# Altium PCB braking_io.PcbDoc (part 2 of 4) (continued)
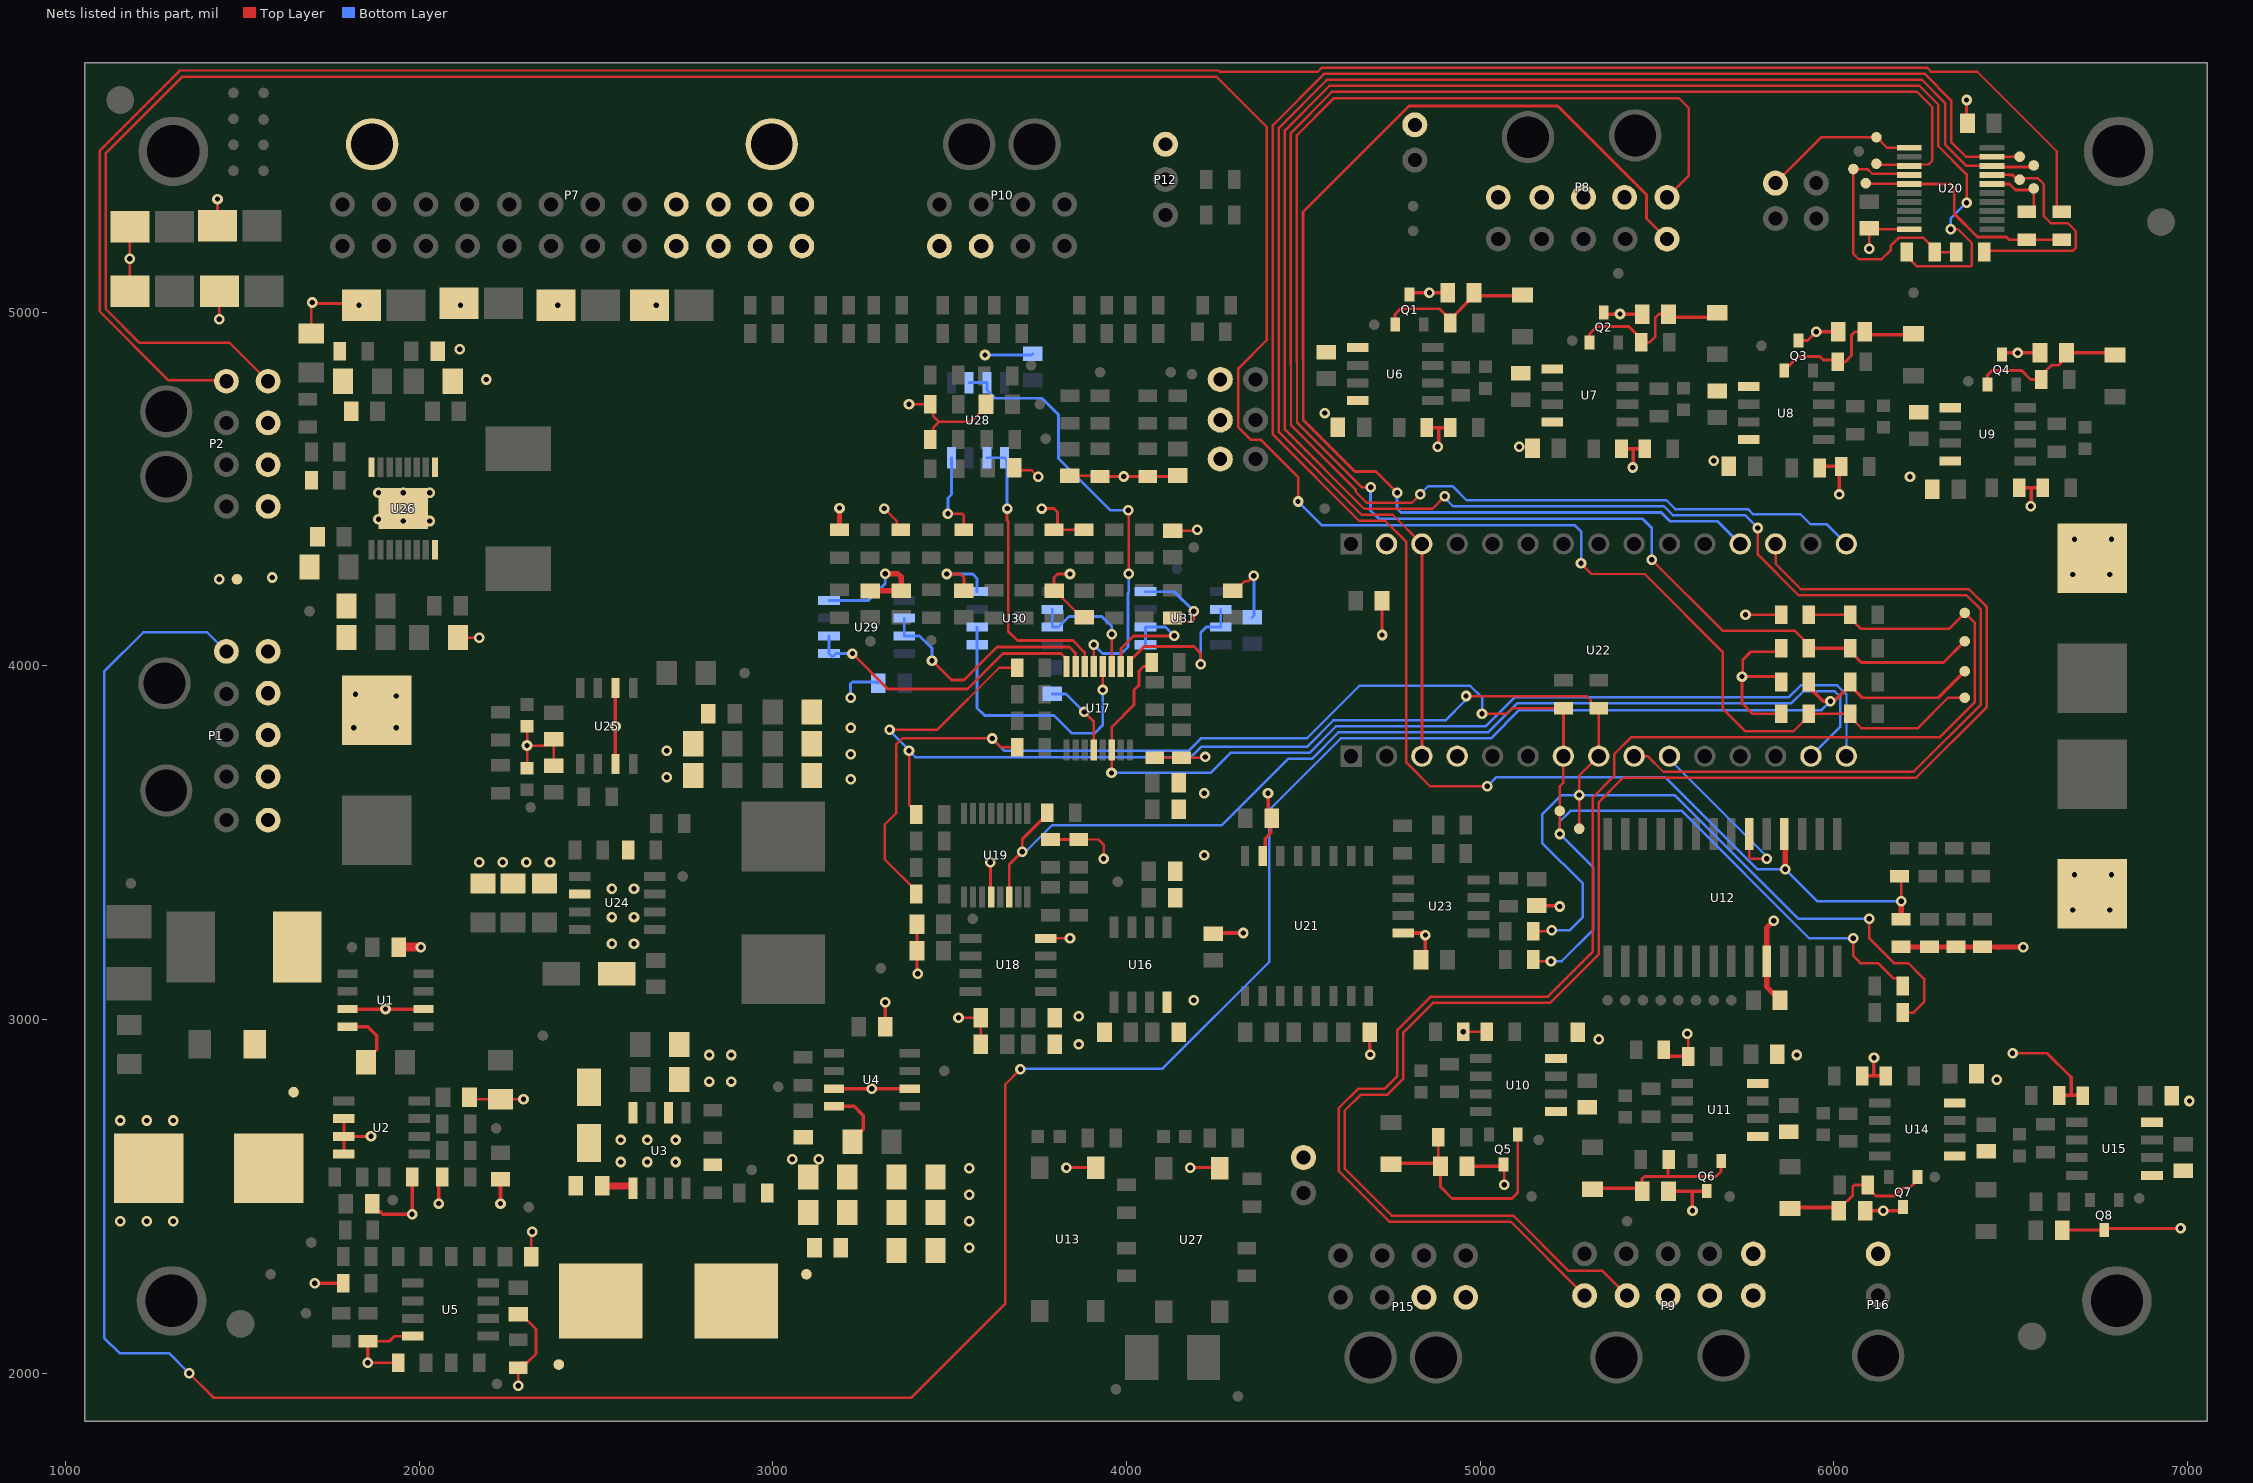
[diagram p4: the nets of this part, all layers, seen from the top]
## Part data (continued)
U20: "GreenPAK Programmable Mixed Signal Matrix with In-System Programmability", Manufacturer="Dialog Semiconductor", Manufacturer Part Number=SLG46826V-SKT, Supplier Part Number 1=03AH3078, Pricing 1="1=45.65000, 5=44.43000, 10=43.15000, 25=42.51000, 50=41.89000, 100=39.38000 (USD)", RoHS=No, Stock 1=4, Supplier 1=Newark
U21: "IC DRVR/RCVR MULTCH RS232 16SOIC", Case/Package=SOIC, Manufacturer="Texas Instruments", Max Operating Temperature=85°C, Max Supply Voltage=5.5V, Min Operating Temperature=-40°C, Min Supply Voltage=4.5V, Nominal Supply Current=10mA, Operating Supply Voltage=5V, Package Quantity=2000, Supplier Part Number 1=296-14620-1-ND, ComponentLink1Description=http://www.ti.com/lit/ds/symlink/max232.pdf?src-supplier=Digi-Key, ComponentLink1URL=http://www.ti.com/lit/ds/symlink/max232.pdf?src-supplier=Digi-Key, ComponentLink2Description=http://datasheet.iiic.cc/texas_instruments/MAX232DWR.pdf?src-supplier=IIIC, ComponentLink2URL=http://datasheet.iiic.cc/texas_instruments/MAX232DWR.pdf?src-supplier=IIIC, Data Rate=120Kbps, Height=2.35mm, Lead Free="Lead Free", Length=10.28mm, Logic Function=Transceiver,Receiver, Manufacturer Part Number=MAX232DWR, Mount="Surface Mount", Number of Drivers=2, Number of Pins=16, Number of Receivers=2, Number of Transceivers=1, Number of Transmitters=2, Packaging="Tape and Reel", Pricing 1="1=1.16, 10=1.036, 100=0.7551, 500=0.63222, 1000=0.49172 (USD)", Radiation Hardening=No, REACH SVHC="No SVHC", Simplex/Duplex="Full Duplex", Stock 1=5901, Supplier 1=Digi-Key, Weight=0.014829oz, Width=7.52mm
U22: "BOARD NUCLEO STM32F303K8T6", Manufacturer=STMicroelectronics, Supplier Part Number 1=497-15981-ND, ComponentLink1Description=http://www.farnell.com/datasheets/2064195.pdf?src-supplier=Farnell, ComponentLink1URL=http://www.farnell.com/datasheets/2064195.pdf?src-supplier=Farnell, ComponentLink2Description=http://www.st.com/content/ccc/resource/technical/document/data_brief/b1/d8/13/d4/b0/b7/4b/6e/DM00214578.pdf/files/DM00214578.pdf/jcr:content/translations/en.DM00214578.pdf?src-supplier=Digi-Key, ComponentLink2URL=http://www.st.com/content/ccc/resource/technical/document/data_brief/b1/d8/13/d4/b0/b7/4b/6e/DM00214578.pdf/files/DM00214578.pdf/jcr:content/translations/en.DM00214578.pdf?src-supplier=Digi-Key, ComponentLink3Description=http://www.farnell.com/datasheets/1966773.pdf?src-supplier=Element14, ComponentLink3URL=http://www.farnell.com/datasheets/1966773.pdf?src-supplier=Element14, ComponentLink4Description=http://www.farnell.com/datasheets/2064195.pdf?src-supplier=Newark, ComponentLink4URL=http://www.farnell.com/datasheets/2064195.pdf?src-supplier=Newark, ComponentLink5Description=http://www.st.com/st-web-ui/static/active/en/resource/technical/document/user_manual/DM00116575.pdf?s_searchtype=keyword&src-supplier=Avnet+Asia, ComponentLink5URL=http://www.st.com/st-web-ui/static/active/en/resource/technical/document/user_manual/DM00116575.pdf?s_searchtype=keyword&src-supplier=Avnet+Asia, ComponentLink6Description=http://www.st.com/st-web-ui/static/active/en/resource/technical/document/user_manual/DM00116575.pdf?s_searchtype=keyword&src-supplier=Avnet, ComponentLink6URL=http://www.st.com/st-web-ui/static/active/en/resource/technical/document/user_manual/DM00116575.pdf?s_searchtype=keyword&src-supplier=Avnet, ComponentLink7Description=http://www.farnell.com/datasheets/2064195.pdf?src-supplier=Element14, ComponentLink7URL=http://www.farnell.com/datasheets/2064195.pdf?src-supplier=Element14, Core Architecture=ARM, Evaluation Kit=Yes, Lead Free="Lead Free", Manufacturer Part Number=NUCLEO-L432KC, Number of Bits=32, Pricing 1="1=10.99000 (USD)", Pricing 2="1=12.40000 (USD)", REACH SVHC="No SVHC", RoHS=Yes, Stock 1=171, Stock 2=56, Supplier 1=Digi-Key, Supplier 2=Newark, Supplier Part Number 2=96Y9505
U23: "IC EEPROM 32K I2C 1MHZ 8SOIC", Case/Package=SOIC, Frequency=400kHz, Manufacturer="ON Semiconductor", Max Frequency=100kHz, Max Operating Temperature=85°C, Max Supply Voltage=5.5V, Min Operating Temperature=-40°C, Min Supply Voltage=1.7V, Nominal Supply Current=2mA, Operating Supply Voltage=5V, Package Quantity=1, Supplier Part Number 1=06R0561, Access Time=3500ns, ComponentLink1Description=https://datasheet.ciiva.com/15123/getdatasheetpartid-144155-15123242.pdf?src-supplier=Verical, ComponentLink1URL=https://datasheet.ciiva.com/15123/getdatasheetpartid-144155-15123242.pdf?src-supplier=Verical, ComponentLink2Description=https://datasheet.ciiva.com/26870/cat24c32wi-gt3-26870507.pdf?src-supplier=IIIC, ComponentLink2URL=https://datasheet.ciiva.com/26870/cat24c32wi-gt3-26870507.pdf?src-supplier=IIIC, ComponentLink3Description=https://datasheet.ciiva.com/1904/cat24c32-d-1904849.pdf?src-supplier=Digi-Key, ComponentLink3URL=https://datasheet.ciiva.com/1904/cat24c32-d-1904849.pdf?src-supplier=Digi-Key, ComponentLink4Description=https://datasheet.ciiva.com/1904/cat24c32-d-1904850.pdf?src-supplier=Digi-Key, ComponentLink4URL=https://datasheet.ciiva.com/1904/cat24c32-d-1904850.pdf?src-supplier=Digi-Key, ComponentLink5Description=https://datasheet.ciiva.com/1904/cat24c32-d-1904851.pdf?src-supplier=Digi-Key, ComponentLink5URL=https://datasheet.ciiva.com/1904/cat24c32-d-1904851.pdf?src-supplier=Digi-Key, ComponentLink6Description=https://datasheet.ciiva.com/16393/cat24c32-d-16393221.pdf?src-supplier=Future+Electronics, ComponentLink6URL=https://datasheet.ciiva.com/16393/cat24c32-d-16393221.pdf?src-supplier=Future+Electronics, ComponentLink7Description=https://datasheet.ciiva.com/16471/cat24c32-d-16471335.pdf?src-supplier=Avnet+Asia, ComponentLink7URL=https://datasheet.ciiva.com/16471/cat24c32-d-16471335.pdf?src-supplier=Avnet+Asia, ComponentLink8Description=https://datasheet.ciiva.com/3185/cat24c32-d-3185118.pdf?src-supplier=Avnet, ComponentLink8URL=https://datasheet.ciiva.com/3185/cat24c32-d-3185118.pdf?src-supplier=Avnet, ComponentLink9Description=https://datasheet.ciiva.com/22618/1696760-22618478.pdf?src-supplier=Element14, ComponentLink9URL=https://datasheet.ciiva.com/22618/1696760-22618478.pdf?src-supplier=Element14, ComponentLink10Description=https://datasheet.ciiva.com/26216/cat24c32-d-26216670.pdf?src-supplier=Avnet+Europe, ComponentLink10URL=https://datasheet.ciiva.com/26216/cat24c32-d-26216670.pdf?src-supplier=Avnet+Europe, Contact Plating=Gold, Density=32Kb, Halogen Free="Halogen Free", Height=1.5mm, Interface=I2C,Serial,2-Wire, Lead Free="Lead Free", Length=5mm, Manufacturer Part Number=CAT24C32WIGT3, Memory Size=32Kb, Memory Type=EEPROM, Mount="Surface Mount", Number of Pins=8, Number of Words=4096, Packaging="Tape and Reel", Radiation Hardening=No, REACH SVHC="No SVHC", RoHS=Yes, Stock 1=0, Supplier 1=Newark, Width=4mm
U26: Case/Package=TSSOP, Manufacturer="Analog Devices / Linear Technology", Manufacturer Part Number=LTC3114EFE-1#TRPBF, Max Input Voltage=40V, Max Operating Temperature=125°C, Min Input Voltage=2.2V, Min Operating Temperature=-40°C, Min Output Voltage=2.7V, Output Current=1A, Supplier Part Number 1=LTC3114EFE-1#TRPBFCT-ND, Switching Frequency=1.2MHz, ComponentLink1Description=http://components.arrow.com/part/dataview/66446920S858405N7433?src-supplier=Arrow, ComponentLink1URL=http://components.arrow.com/part/dataview/66446920S858405N7433?src-supplier=Arrow, ComponentLink2Description=http://www.linear.com/docs/44756?src-supplier=Digi-Key, ComponentLink2URL=http://www.linear.com/docs/44756?src-supplier=Digi-Key, Efficiency=96%, Max Output Voltage=40V, Mount="Surface Mount", Number of Outputs=1, Number of Pins=16, Output Configuration=Positive, Output Type=Adjustable, Output Voltage=2.7V, Packaging="Tape and Reel", Pricing 1="1=10.01000, 25=7.35000, 100=5.49400, 250=5.21932, 500=5.10160 (USD)", RoHS=Yes, Stock 1=2151, Supplier 1=Digi-Key, Synchronous Rectifier=Yes, Topology=Buck-Boost

## Via types
v1: diameter 30, hole 15, Top Layer to Bottom Layer, 414 vias

## Nets (pads, with @x,y where several pads share a name; then routed paths per layer and width w, separated by ;. In a path a pad name is that pad's centre, name@x,y a point inside that pad or via, vN(x,y) a via of type N, cw(c..) or ccw(c..) an arc to the next point about the centre after c; other vN are vias at no path point)
ADC_INT_0: R107.1 U17.6 U22.3.15 | length 2752
  Top Layer w7: v1(3957.54,3697.54) 3958.39,3698.39 U17.6@3958.39,3761.89
  Top Layer w8: U17.6@3958.39,3761.89 3958.39,3827.37 4021.43,3890.41 4021.43,3931.88 4035,3945.46 4035,3985 4048.11,3998.11 4060,3998.11 4070.63,4008.74 R107.1@4070.63,4010 R107.1@4070.63,4030
  Bottom Layer w7: v1(3957.54,3697.54) 4237.23,3697.54 4294.01,3754.32 4516.9,3754.32 4591.59,3829 5014.96,3829 5097.96,3912 5872.96,3912 5906.46,3945.5 6008.85,3945.5 6035.5,3918.85 6035.5,3745.5 U22.3.15@6035,3745
ADC_INT_1: R116.1 U19.6 U22.3.14 | length 2992.2
  Top Layer w8: U19.6@3668.39,3346.89 3668.39,3438.39 v1(3705,3475) 3705,3510 3775.63,3580.63 R116.1@3775.63,3585
  Bottom Layer w7: v1(3705,3475) 3715,3475 3790,3550 4269.69,3550 4457.01,3737.32 4523.95,3737.32 4598.63,3812 5022,3812 5105,3895 5880,3895 5913.5,3928.5 6001.81,3928.5 6018.5,3911.8 6018.5,3828.5 U22.3.14@5935,3745
AUX_HB_1: R126.2 TP74.1 U20.17 | length 670.4
  Top Layer w7: R126.2@6424.37,5170 6428.78,5174.41 6676.18,5174.41 6684.09,5182.32 6684.09,5228.94 6661.03,5252 6613,5252 6593.5,5271.5 6593.5,5361.81 6576.81,5378.5 6528.5,5378.5 TP74.1@6525,5375 ; U20.17@6446.93,5388.39 6495,5388.39
  Top Layer w8: 6495,5388.39 6505.66,5388.39 6519.05,5375 TP74.1@6525,5375
AUX_HB_2: R128.2 TP76.1 U20.16 | length 204
  Top Layer w7: R128.2@6545,5284.37 6550.78,5284.37 6565,5298.59 TP76.1@6565,5350
  Top Layer w8: U20.16@6446.93,5362.8 6496.19,5362.8 6512.99,5346 6561,5346 TP76.1@6565,5350
BUFF_TELEM_PS_0: U17.16 U29.1 U29.2 | length 841.5
  Top Layer w8: v1(3225,4035) 3325,3935 3550,3935 3650.57,4035.57 3814.94,4035.57 3830.43,4020.08 U17.16@3830.43,3998.11
  Bottom Layer w8: U29.2@3158.7,4085 U29.1@3158.7,4035 3168.7,4025 3178.7,4035 v1(3225,4035)
BUFF_TELEM_PS_1: U17.15 U29.6 U29.7 | length 691
  Top Layer w8: v1(3450,4015) 3505,3960 3540,3960 3633.57,4053.57 3838.57,4053.57 3856.02,4036.13 U17.15@3856.02,3998.11
  Bottom Layer w8: U29.6@3371.3,4135 U29.7@3371.3,4085 3415,4085 3450,4050 v1(3450,4015)
BUFF_TELEM_PS_2: U17.14 U28.1 U28.2 | length 826.2
  Top Layer w8: v1(3662.4,4445) 3662.4,4411.69 3665.57,4408.52 3665.57,4097.81 3691.81,4071.57 3848.43,4071.57 3881.61,4038.39 U17.14@3881.61,3998.11
  Bottom Layer w8: U28.2@3605,4588.7 U28.1@3655,4588.7 3662.4,4581.3 v1(3662.4,4445)
BUFF_TELEM_PS_3: U17.13 U28.6 U28.7 | length 1253.8
  Top Layer w8: U17.13@3907.2,3998.11 v1(3907.2,4060) ; v1@4002.91,4257.09 v1(4006.46,4260.63) 4006.46,4438.54 v1(4005,4440)
  Bottom Layer w8: U28.6@3555,4801.3 U28.7@3605,4801.3 3605,4780 3628.21,4756.79 3761.35,4756.79 3808,4710.14 3808,4587 3955,4440 v1(4005,4440) ; v1(3907.2,4060) 3932.2,4035 3985,4035 4004,4054 4004,4206 4006.46,4208.46 v1(4006.46,4260.63)
BUFF_TELEM_PS_4: U17.12 U30.1 U30.2 | length 788.6
  Top Layer w8: v1(3932.8,3932.2) U17.12@3932.8,3998.11
  Bottom Layer w8: U30.2@3577.4,4110 U30.1@3577.4,4060 3577.4,3881.6 3599,3860 3795,3860 3845.46,3809.54 3909.54,3809.54 3932.8,3832.8 v1(3932.8,3932.2)
BUFF_TELEM_PS_5: U17.11 U30.6 U30.7 | length 356.1
  Top Layer w8: U17.11@3958.39,3998.11 v1(3958.39,4090)
  Bottom Layer w8: U30.6@3790,4160 U30.7@3790,4110 3807.72,4110 3837.72,4140 3930,4140 3958.39,4111.61 v1(3958.39,4090)
BUFF_TELEM_PS_6: U17.10 U31.1 U31.2 | length 358.5
  Top Layer w8: U17.10@3983.98,3998.11 3983.98,4048.98 4020,4085 v1(4135,4085)
  Bottom Layer w8: U31.1@4053.7,4060 U31.2@4053.7,4110 4110,4110 v1(4135,4085)
BUFF_TELEM_PS_7: U17.9 U31.6 U31.7 | length 474.5
  Top Layer w8: U17.9@4009.57,3998.11 4009.57,4014.57 4050,4055 4190.63,4055 4210,4035.63 v1(4210,4005)
  Bottom Layer w8: v1(4210,4005) 4210,4094.54 4225.46,4110 U31.7@4266.3,4110 U31.6@4266.3,4160
DEBUG_OVERRIDE: P13.2 TP68.1 U20.1 | length 444.3
  Top Layer w7: P13.2@5835,5365 5965,5495 TP68.1@6120,5495 6149.84,5465.16 U20.1@6213.07,5465.16
GND: C1.2 C2.1 C3.2 C4.2 C6.2 C7.2 C8.2 C9.2 C10.2 C11.2 C12.2 C13.2 C14.2 C15.2 C16.2 C17.1 C18.2 C19.2 C20.2 C23.2 C24.2 C25.2 C26.2 C29.2 C30.2 C31.2 C32.2 C35.2 C36.2 C37.2 C38.2 C39.2 C40.2 C43.2 C44.2 C45.2 C46.2 C47.2 C48.2 C49.2 C50.2 C51.2 C52.2 C53.2 C54.2 C55.2 C56.2 C57.2 C58.2 C59.2 C60.2 C61.2 C62.2 C63.2 C64.2 C65.2 C66.2 C67.2 C68.2 C70.2 C71.2 C72.2 C74.1 C75.1 C76.2 C77.2 C78.2 C79.2 C81.2 C82.2 C83.2 C84.2 C85.2 C86.2 C87.2 C88.2 C89.2 C90.2 C91.2 C92.2 C93.1 C94.2 C97.2 C98.2 C99.2 C100.2 C101.2 C102.2 C103.2 C104.2 C105.2 C106.2 C107.2 C108.2 D1.1 D10.2 D11.2 D12.2 D13.2 D14.2 D15.2 D16.2 D17.2 D18.1 LED1.2 LED10.2 P1.6 P1.7 P1.8 P1.9 P1.10 P2.5 P2.6 P2.7 P3.2 P4.2 P5.2 P6.2 P7.9 P7.10 P7.11 P7.12 P7.21 P7.22 P7.23 P7.24 P8.1 P8.2 P8.3 P8.4 P9.1 P9.2 P9.3 P9.6 P10.5 P10.6 P11.2 P12.3 P15.1 P15.2 P16.2 Q1.3 Q2.3 Q3.3 Q4.3 Q5.3 Q6.3 Q7.3 Q8.3 R6.1 R7.1 R12.1 R17.1 R18.1 R23.2 R24.2 R25.1 R26.1 R31.2 R32.1 R33.2 R34.1 R39.2 R40.2 R41.1 R42.1 R49.1 R50.1 R51.1 R52.1 R57.2 R58.2 R59.1 R60.1 R77.1 R78.1 R79.1 R80.1 R97.1 R98.1 R99.1 R100.1 R114.1 R115.1 R123.1 R124.1 R143.1 R144.1 R145.1 R146.1 R151.1 R156.1 R157.1 R159.1 R161.1 TH1.1 TH2.1 TP2.1 U1.2 U1.7 U2.2 U2.3 U2.4 U3.6 U4.2 U4.7 U5.4 U6.4 U7.4 U8.4 U9.4 U10.4 U11.4 U12.10 U13.3 U14.4 U15.4 U16.4 U17.4 U18.4 U19.4 U20.10 U21.15 U22.3.4 U22.4.2 U23.4 U24.6 U25.2 U25.7 U26.1 U26.8 U26.16 U27.3 U28.4 U29.4 U30.4 U31.4 | length 11762.4
  Top Layer w7: v1(1855,2030) R156.1@1940.63,2030 ; U26.1@1955,4445 1990,4410 v1(2030,4410) ; C102.2@2110.12,4080 v1(2170,4080) v1@2175,4085 ; C4.2@2142.4,2780 2147.52,2774.88 C6.2@2230,2774.88 2294.88,2774.88 v1(2295,2775) ; LED1.2@2305,3710.51 v1(2305,3775) ; LED10.2@2305,3830 v1(2305,3775) ; C94.2@2317.4,2330 2317.4,2397.4 v1(2320,2400) ; C92.2@2380,3717.4 C93.1@2380,3792.6 2362.83,3775.43 2352.27,3775.43 2351.84,3775 v1(2305,3775) ; v1(3315,4445) 3350.88,4409.12 3350.88,4395.54 R78.1@3361.43,4385 ; v1(3385,4740) R79.1@3445.63,4740 3452.97,4732.66 3452.97,4707.03 3470,4690 ; R80.1@3445.63,4640 3452.97,4647.34 3452.97,4672.97 3470,4690 ; v1(3495,4430) 3535,4430 3540,4425 R97.1@3540,4385 ; v1(3525,3005) C65.2@3587.6,3005 C66.2@3587.6,2930 ; C47.2@3602.6,4740 3602.6,4733.11 3559.49,4690 3470,4690 ; C48.2@3682.4,4560 3682.4,4553.11 3731.89,4553.11 v1(3750,4535) ; U18.4@3771.3,3230 v1(3840,3230) ; C50.2@3795,4212.4 3812.17,4195.23 3815.48,4195.23 3873.11,4137.6 C51.2@3880,4137.6 ; R124.1@3865,3509.37 3920.63,3509.37 3935,3495 v1(3935,3455) ; R100.1@4130,4135.63 4140.63,4125 4185,4125 4190,4130 v1(4190,4155) ; C77.2@4300,4212.4 4306.89,4212.4 4324.06,4229.57 4334.49,4240 4345,4240 v1(4360,4255) ; v1(4952.2,2965.98) R39.2@5018.46,2965.98 ; v1@5065,2530 v1(5067.83,2532.83) 5067.83,2585 Q5.3@5067.83,2590 ; v1(5585,2960) 5588.46,2956.54 R40.2@5588.46,2895.98
  Top Layer w8: D11.2@1182.01,5060 v1(1182.01,5151.2) D10.2@1182.01,5242.4 ; D13.2@1430,5245 v1(1430,5320) ; v1(1435,4980) D12.2@1435,5060 ; C105.2@1695,4940.12 1695,5030 v1(1697.5,5027.5) 1700,5025 D14.2@1837.01,5025 ; U2.4@1787.4,2620 U2.3@1787.4,2670 ; U2.2@1787.4,2720 U2.3@1787.4,2670 ; R17.1@1855,2090.63 1915.63,2090.63 1930,2105 U5.4@1982.4,2105 ; v1(1863.86,2670) U2.3@1787.4,2670 ; D15.2@2062.6,5025 D15.2@2112.01,5025 ; R157.1@2271.14,2015.63 2284.86,2029.35 2304.35,2029.35 2330,2055 2330,2125 2287.4,2167.6 C16.2@2280,2167.6 ; v1(2280,1965) R157.1@2280,2015.63 ; C63.2@3407.6,3270 C64.2@3407.6,3195 3407.6,3132.4 v1(3410,3130) ; v1(3491.8,4260) 3530,4260 3540,4250 C49.2@3540,4212.4 ; v1(3615,3445) 3615,3349.09 U19.4@3617.2,3346.89 ; v1(3760,4445) 3795,4445 3805,4435 3805,4395 R98.1@3795,4385 R99.1@3880,4385 ; R123.1@3785,3509.37 R124.1@3865,3509.37 ; C50.2@3795,4212.4 3795,4250 3805,4260 v1(3840,4260) ; v1(3830,2581.68) U13.3@3912.48,2581.68 ; C53.2@3840,4537.6 3923.03,4537.6 TH1.1@3925,4535.63 v1(3992.5,4535.63) TH2.1@4060,4535.63 4142.05,4535.63 C54.2@4145,4538.58 ; v1(3880,3870) 3907.2,3842.8 U17.4@3907.2,3761.89 ; R115.1@4080,3740.63 R114.1@4155,3740.63 4220.63,3740.63 v1(4222.81,3742.82) v1@4225,3745 ; C52.2@4130,4382.4 4197.4,4382.4 v1(4200,4385) ; v1(4180,2581.68) 4261.31,2581.68 U27.3@4263,2580 ; v1@4720,4085 v1(4722.4,4087.4) C72.2@4722.4,4185 ; v1(5750,4145) R143.1@5850.63,4145 ; R146.1@5850.63,3865 5770,3865 5740,3895 v1(5740,3970) ; R145.1@5850.63,3955 5850.63,3956.28 5836.91,3970 v1(5740,3970) ; R144.1@5850.63,4050 5840.63,4040 5765,4040 5742,4017 5742,3972 v1(5740,3970) ; Q3.3@5900,4920 5925,4920 v1(5950,4945) ; v1(6100,5180) C68.2@6100,5237.6 6102.76,5234.84 U20.10@6213.07,5234.84 ; v1(6375,5600) 6375,5542.4 6372.6,5540 C67.2@6377.6,5535 ; v1(6505,2905) 6602.83,2905 6670.33,2837.5 ; C44.2@6645.24,2405 6764.09,2405 Q8.3@6764.45,2405.35 ; Q8.3@6764.45,2410 v1(6980,2410)
  Top Layer w10: v1(1705,2255) R18.1@1785.12,2255 ; U1.7@1797.72,3030 v1(1905,3030) U1.2@2012.28,3030 ; v1(1855,2030) R17.1@1855,2090.63 ; C18.2@1867.4,2480 1867.4,2473.11 1883.07,2457.44 1889.96,2457.44 1897.4,2450 v1(1980,2450) R6.1@1980,2555 ; v1(2055,2480) 2055,2544.37 R7.1@2065.63,2555 ; v1(2230,2480) C3.2@2230,2549.09 ; R157.1@2271.14,2015.63 R157.1@2280,2015.63 ; U25.7@2555,3722.72 v1(2555,3830) U25.2@2555,3937.28 ; U4.7@3172.72,2805 v1(3280,2805) U4.2@3387.28,2805 ; C17.1@3317.4,2980 v1(3317.4,3049.14) ; C74.1@4245,3242.4 4247.6,3245 v1(4330,3245) ; U21.15@4385,3462.83 4385,3479.57 4391.81,3486.38 4391.81,3511.81 4408.19,3528.19 4408.19,3568.19 C76.2@4410,3570 4400,3580 v1(4400,3640) ; C75.1@4687.4,2965 4687.4,2902.6 v1(4688.7,2901.3) v1@4690,2900 ; U23.4@4782.4,3245 4839.14,3245 v1(4845,3239.14) 4845,3182.4 C79.2@4832.6,3170 ; Q1.3@4800,5050 4805,5055 v1(4856.3,5055) C23.2@4907.6,5055 ; R23.2@4849.37,4674.02 4882.5,4674.02 ; v1(4880,4620) 4882.5,4622.5 4882.5,4674.02 ; R25.1@4915.63,4674.02 4882.5,4674.02 ; C35.2@4965.24,2585 5067.83,2585 Q5.3@5072.83,2590 ; C78.2@5160,3322.6 5222.4,3322.6 v1(5225,3320) ; Q2.3@5350,4990 5355,4995 v1(5395,4995) C24.2@5457.6,4995 ; R24.2@5399.37,4614.02 5432.5,4614.02 ; v1@5430,4560 v1(5431.25,4561.25) 5432.5,4562.5 5432.5,4614.02 ; R26.1@5465.63,4614.02 5432.5,4614.02 ; R42.1@5517.2,2895.98 R40.2@5583.46,2895.98 ; C36.2@5525.24,2515 C36.2@5532.4,2515 5600,2515 ; v1(5600,2460) 5600,2515 ; Q6.3@5632.83,2520 5627.83,2515 5600,2515 ; v1(5950,4945) C29.2@6012.6,4945 ; R31.2@5954.37,4564.02 R32.1@6015,4564.02 ; v1(6015,4485) R32.1@6015,4564.02 ; R32.1@6020.63,4564.02 R32.1@6015,4564.02 ; R60.1@6080.04,2840.98 6113.17,2840.98 ; C43.2@6088.07,2460 v1(6139.37,2460) 6190.67,2460 Q7.3@6195.67,2465 ; v1(6113.17,2892.5) 6113.17,2840.98 ; R57.2@6146.3,2840.98 6113.17,2840.98 ; Q4.3@6475,4880 6480,4885 v1(6520,4885) C30.2@6582.6,4885 ; R33.2@6524.37,4504.02 6557.5,4504.02 ; v1@6555,4450 v1(6556.25,4451.25) 6557.5,4452.5 6557.5,4504.02 ; R34.1@6590.63,4504.02 6557.5,4504.02 ; R59.1@6637.2,2785.98 6670.33,2785.98 ; 6670.33,2837.5 6670.33,2785.98 ; R58.2@6703.46,2785.98 6670.33,2785.98
  Top Layer w12: U12.10@5810,3120 U12.10@5810,3165 5810,3210
  Top Layer w15: R77.1@3188.57,4385 v1(3188.57,4446.34) v1@3192.86,4450.63 ; C45.2@3275.98,4212.05 3276.97,4213.03 C46.2@3362.86,4213.03 3362.86,4251.84 3354.07,4260.63 v1(3317.86,4260.63) ; U12.10@5810,3120 5810,3092.4 C38.2@5847.4,3055 ; 5810,3210 5810,3260 v1(5830,3280) ; R49.1@6190,3205.63 R50.1@6270,3205.63 R51.1@6345,3205.63 R52.1@6420,3205.63 6464.37,3205.63 ; 6465,3205 6464.37,3205.63 ; v1@6534.37,3205.63 6464.37,3205.63
  Top Layer w25: C2.1@1942.4,3205 v1(2005,3205)
  Bottom Layer w8: U29.4@3158.7,4185 3270,4185 3317.86,4232.86 v1(3317.86,4260.63) ; v1(3220,3910) 3220,3950 3225,3955 3293.6,3955 C108.2@3297.6,3951 ; v1(3491.8,4260) 3565,4260 3577.4,4247.6 U30.4@3577.4,4210 ; v1(3495,4430) 3495,4475 3505,4485 U28.4@3505,4588.7 ; v1(3599.69,4879.06) 3731.65,4879.06 C91.2@3735,4882.4 ; C37.2@3790,3921 3829,3921 v1(3880,3870) ; U31.4@4053.7,4210 4135,4210 v1(4190,4155) ; C100.2@4355,4137.4 4360,4142.4 v1(4360,4255)
  other v1: 3555,2355 1155,2430 1230,2430 1305,2430 3555,2430 3555,2505 3555,2580 2570,2597.5 2645,2597.5 2725,2597.5 3055,2605 3130,2605 2570,2660 2645,2660 2725,2660 1155,2715 1230,2715 1305,2715 7005,2770 2820,2825 2882.5,2825 6460,2830 2820,2900 2882.5,2900 5895,2900 3865,2930 5335,2945 3865,3010 4190,3055 6535,3205 2545,3215 2607.5,3215 2545,3290 2607.5,3290 6675,3310 6780,3310 2545,3370 2607.5,3370 6680,3410 6785,3410 2170,3445 2236.67,3445 2303.33,3445 2370,3445 4220,3465 4220,3640 3220,3680 2700,3685 3220,3750 2700,3760 1815,3825 1935,3825 3220,3825 1935,3915 1820,3920 1435,4245 1585,4250 6675,4258.58 6780,4258.58 6680,4358.58 6785,4358.58 1955,4410 1885,4415 1885,4490 1955,4490 2030,4490 6215,4535 5660,4580 5110,4620 4560,4715 2190,4810 2115,4895 1830,5020 2117.01,5020 2392.01,5020 2670,5020
HRN_SOL_DRV_1: P8.5 R134.1 R144.2 TP83.1 | length 4549.1
  Top Layer w7: v1(4690,4505) 4689.25,4505.75 4664.5,4505.75 4481.93,4688.32 4481.93,4858.44 4481.5,4858.87 4481.5,5500.33 4586.67,5605.5 5561.25,5605.5 5590,5576.75 5590,5387 P8.5@5528,5325 ; v1(5485,4300) 5685,4100 5888.23,4100 5929.37,4058.86 R144.2@5929.37,4050
  Top Layer w8: R134.1@6045.63,4050 6045.63,4041.14 6077.35,4009.43 6309.43,4009.43 TP83.1@6370,4070
  Top Layer w10: R144.2@5929.37,4050 R134.1@6045.63,4050
  Bottom Layer w8: v1(4690,4505) 4690,4440 4714,4416 5459,4416 5485,4390 v1(5485,4300)
HRN_SOL_DRV_2: P9.5 R133.1 R143.2 TP84.1 | length 4406
  Top Layer w7: P9.5@5295,2220 5086.5,2428.5 4743.13,2428.5 4600,2571.63 4600,2750 4654.5,2804.5 4729.7,2804.5 4765.63,2840.43 4765.63,2971.03 4858.83,3064.23 5190.44,3064.23 5317.5,3191.28 5317.5,3627.5 5378.62,3688.62 5378.62,3750.3 5426.31,3798 6298.31,3798 6398.5,3898.2 6398.5,4121.5 TP84.1@6370,4150 6324.93,4104.93 6076.85,4104.93 6045.63,4136.14 R133.1@6045.63,4145 R143.2@5929.37,4145
HRN_SOL_RTN_1: P8.10 U22.4.12 | length 3343.7
  Top Layer w8: v1(4765,4490) 4705,4550 4645,4550 4499.43,4695.57 4499.43,4865.68 4499,4866.12 4499,5283.91 4798.09,5583 5219.3,5583 5470,5332.3 5470,5265 P8.10@5528,5207
  Bottom Layer w8: v1(4765,4490) 4765,4445 4776,4434 5511.96,4434 5536.96,4409 5671,4409 U22.4.12@5735,4345
HRN_SOL_RTN_2: P9.4 U22.4.13 | length 4714.1
  Top Layer w7: P9.4@5415,2220 5345.5,2289.5 5249.54,2289.5 5093.54,2445.5 4750.17,2445.5 4617,2578.67 4617,2742.96 4661.54,2787.5 4736.75,2787.5 4782.63,2833.39 4782.63,2963.99 4865.87,3047.23 5197.48,3047.23 5334.5,3184.24 5334.5,3614.5 5404,3684 6232.39,3684 6432.5,3884.11 6432.5,4166.33 6381.83,4217 5907.04,4217 5835,4289.04 U22.4.13@5835,4345
HRN_UART_DRV_1: P2.8 R136.1 R146.2 TP81.1 | length 7968.7
  Top Layer w7: P2.8@1573,4805 1464.51,4913.49 1209.82,4913.49 1113.39,5009.92 1113.39,5449.35 1330.54,5666.5 4253.5,5666.5 4396.5,5523.5 4396.5,4921.5 4316.07,4841.07 4316.07,4674.73 4350.8,4640 4379.2,4640 4485,4534.2 v1(4485,4465) ; v1(5285,4290) 5315,4260 5465,4260 5685,4040 5685,3880 5750,3815 5885,3815 5911.93,3841.93 5915.15,3841.93 5929.37,3856.14 R146.2@5929.37,3865 R136.1@6045.63,3865 6045.63,3856.14 6077.35,3824.43 6237.18,3824.43 6322.75,3910 TP81.1@6370,3910
  Bottom Layer w7: v1(4485,4465) 4551.5,4398.5 5266.5,4398.5 5285,4380 v1@5285,4300
HRN_VBUS_DRV_1: P1.5 R135.1 R145.2 TP82.1 | length 9225
  Top Layer w7: v1(1350,2000) 1418.5,1931.5 3391.5,1931.5 3657.5,2197.5 3657.5,2817.5 v1(3700,2860)
  Top Layer w8: R135.1@6045.63,3955 6045.63,3945.63 6045.63,3944.37 6080,3910 6295,3910 TP82.1@6370,3985
  Top Layer w10: R145.2@5929.37,3955 5929.37,3940.63 5970,3900 v1(5990,3900) 6000,3900 R135.1@6045.63,3945.63
  Bottom Layer w7: v1(1350,2000) 1293.77,2056.23 1153.77,2056.23 1109.5,2100.5 1109.5,3984.5 1220,4095 1401,4095 P1.5@1455,4041 ; v1(3700,2860) 3709.7,2860 3711.2,2861.5 4101.81,2861.5 4404.04,3163.73 4404.04,3593.37 4605.67,3795 5030,3795 5110,3875 5965,3875 v1(5990,3900)
I2C2_SCL: R47.1 R113.2 R122.2 R130.1 R140.1 TP79.1 U22.3.8 | length 5109.9
  Top Layer w7: v1(3330,3820) 3465,3820 3640,3995 R113.2@3690.63,3995 ; v1(3385,3760) 3385,3607.18 3389.1,3603.07 3391.41,3603.07 3405.63,3588.86 R122.2@3405.63,3580 ; v1(4960,3915) 5300.63,3915 5312.43,3903.2 5312.43,3894.85 5326.65,3880.63 R130.1@5335,3880.63 ; R140.1@5149.37,3250 5200,3250 v1(5202.5,3252.5) v1@5205,3255 ; TP79.1@5280,3540 v1(5280,3635) 5280,3690 U22.3.8@5335,3745 ; v1(6100,3285) 6100,3230 6170,3160 6210,3160 6255,3115 6255,3050 6225,3020 R47.1@6194.37,3020
  Top Layer w8: U22.3.8@5335,3745 R130.1@5335,3880.63
  Bottom Layer w7: v1(3330,3820) 3330,3817.5 3385,3762.5 v1(3385,3760) 3402.5,3742.5 4182.19,3742.5 4211.01,3771.32 4509.86,3771.32 4584.55,3846 4901.31,3846 4955.6,3900.29 4955.6,3910.6 v1(4960,3915) ; v1(5202.5,3252.5) 5252.5,3252.5 5290,3290 5290,3385 5175,3500 5175,3580 5230,3635 v1(5280,3635) 5549.35,3635 5899.35,3285 v1(6100,3285)
I2C2_SDA: R48.1 R112.2 R121.2 R129.1 R141.1 TP80.1 U22.3.7 | length 4789.5
  Top Layer w7: R121.2@3405.63,3355 3405.63,3363.86 3316.5,3452.99 3316.5,3551.5 3348.5,3583.5 3348.5,3777.7 3365.8,3795 v1(3620,3795) 3645,3770 3681.77,3770 3690.63,3778.86 R112.2@3690.63,3770 ; R141.1@5149.37,3170 5154.37,3165 v1(5200,3165) ; v1(5225,3525) TP80.1@5225,3590 5225,3660 5235,3670 U22.3.7@5235,3745 ; R129.1@5235,3880.63 5090.63,3880.63 5075,3865 v1(5005,3865) ; v1(6055,3230) 6055,3180 6075,3160 6125,3160 6167.43,3117.57 6180.15,3117.57 6194.37,3103.35 R48.1@6194.37,3095 ; v1(5005,3865) 4994,3865 5005,3876 v1(5005,3865)
  Top Layer w8: U22.3.7@5235,3745 R129.1@5235,3880.63
  Bottom Layer w7: v1(3620,3795) 3655,3760 4175.5,3760 4210,3794.5 4210,3795 4509.51,3795 4658.01,3943.5 4971.81,3943.5 5005,3910.3 v1(5005,3865) ; v1(5200,3165) 5230,3165 5320,3255 5320,3430 v1(5225,3525) 5225,3559.7 5224.69,3560 5254.69,3590 5570.31,3590 5930.31,3230 v1(6055,3230)
IO_INT_A: U12.20 U22.3.10 | length 521
  Top Layer w7: U12.20@5760,3525 5760,3460 5765,3455 v1(5810,3455)
  Bottom Layer w7: U22.3.10@5535,3745 5535,3736.22 5810,3461.22 v1(5810,3455)
IO_RST_N: R43.1 R49.2 TP70.1 U12.18 U20.19 | length 6145.5
  Top Layer w7: v1(5020,3660) 4858.31,3660 4791.38,3726.93 4791.38,4350.3 4731.19,4410.5 4657.38,4410.5 4413.93,4653.94 4413.93,4830.27 4413.5,4830.7 4413.5,5528.5 4559.5,5674.5 6255.5,5674.5 6331.38,5598.62 6331.38,5481.38 6373.19,5439.57 U20.19@6446.93,5439.57 ; R43.1@6185,3405.63 6190,3400.63 v1(6190,3335)
  Top Layer w8: U20.19@6446.93,5439.57 6447.15,5439.78 6524.78,5439.78 TP70.1@6525,5440
  Top Layer w12: U12.18@5860,3525 5862.5,3522.5 U12.18@5862.5,3480
  Top Layer w15: v1(5862.5,3425) U12.18@5862.5,3480 ; R49.2@6190,3284.37 v1(6190,3335)
  Bottom Layer w7: v1(5020,3660) 5045,3685 5523.39,3685 5783.39,3425 v1(5862.5,3425) 5952.5,3335 v1(6190,3335)
MAIN_HB_IN: P2.4 R127.1 | length 6800.9
  Top Layer w7: P2.4@1455,4805 1452.5,4807.5 1291.77,4807.5 1096.39,5002.88 1096.39,5456.39 1323.5,5683.5 4260.54,5683.5 4264.04,5680 4540.96,5680 4552.46,5691.5 6262.54,5691.5 6274.04,5680 6405.31,5680 6630,5455.31 6630,5294.37 R127.1@6620,5284.37
MAIN_HB_INPUT: R127.2 R128.1 TP75.1 U20.5 | length 637.8
  Top Layer w7: TP75.1@6090,5365 6092.2,5362.8 U20.5@6213.07,5362.8 ; 6487.77,5212.57 6494.71,5205.63 R128.1@6545,5205.63 R127.2@6620,5205.63
  Top Layer w8: U20.5@6213.07,5362.8 6327.2,5362.8 6340,5350 6340,5278.67 6406.09,5212.57 6487.77,5212.57
MCU_EN: TP71.1 U20.3 U22.4.15 | length 4776.3
  Top Layer w7: v1(4830,4485.62) 4830,4485 4806.5,4461.5 4678.5,4461.5 4647.6,4492.4 4647.6,4498.61 4464.93,4681.28 4464.93,4851.39 4464.5,4851.83 4464.5,5507.38 4580.62,5623.5 6234.38,5623.5 6277.83,5580.04 6277.83,5427.83 6267.8,5417.8 6216.89,5417.8 U20.3@6213.07,5413.98 6210.06,5416.99 6123.01,5416.99 TP71.1@6120,5420
  Bottom Layer w7: v1(4830,4485.62) 4852.88,4508.5 4921.19,4508.5 4961.19,4468.5 5526.25,4468.5 5551.25,4443.5 5756.5,4443.5 5770.5,4429.5 5904.84,4429.5 5934.34,4400 5980,4400 U22.4.15@6035,4345
MCU_HB_IN: R125.1 U22.3.9 | length 7135.7
  Top Layer w7: v1(4900,4480) 4864.5,4444.5 4671.46,4444.5 4447.93,4668.03 4447.93,4844.35 4447.5,4844.78 4447.5,5514.42 4573.58,5640.5 6241.42,5640.5 6294.83,5587.08 6294.83,5469.83 6375,5389.67 v1(6375,5310) ; U22.3.9@5435,3745 5473.31,3745 5517.31,3701 6225.35,3701 6415.5,3891.15 6415.5,4159.29 6374.79,4200 5900,4200 5785,4315 v1(5785,4390) ; R125.1@6205.63,5170 6205.63,5159.37 6235.07,5129.93 6385.9,5129.93 6390,5134.03 6390,5195 6350,5235 v1(6330,5235)
  Bottom Layer w7: v1(5785,4390) 5748.5,4426.5 5544.21,4426.5 5519.21,4451.5 4923.5,4451.5 4901.6,4473.4 v1@4900,4473.4 ; v1(6330,5235) 6330,5265 v1(6375,5310) ; v1@4900,4473.4 4893.4,4473.4 v1(4900,4480) v1@4900,4473.4
MCU_HB_INPUT: R125.2 R126.1 TP73.1 U20.4 | length 755.6
  Top Layer w7: U20.4@6213.07,5388.39 6209.96,5391.5 6108.19,5391.5 6094.69,5405 TP73.1@6055,5405 6055,5165 6070,5150 6135,5150 6160,5175 6160,5187.75 6182.32,5210.07 6252.65,5210.07 6284.37,5178.35 R125.2@6284.37,5170 R126.1@6345.63,5170
MCU_RST_N: TP72.1 U20.18 U22.3.3 U22.4.3 | length 4358.9
  Top Layer w7: U22.4.3@4835,4345 4752.5,4427.5 4664.42,4427.5 4430.93,4660.98 4430.93,4837.31 4430.5,4837.74 4430.5,5521.46 4566.54,5657.5 6248.46,5657.5 6314.38,5591.58 6314.38,5474.33 6374.73,5413.98 U20.18@6446.93,5413.98
  Top Layer w8: U22.3.3@4835,3745 U22.4.3@4835,4345 ; U20.18@6446.93,5413.98 6449.91,5411 6561,5411 TP72.1@6565,5415
NetC1_1: C1.1 L1.2 L2.2 R2.1 TP10.1 U1.8 | length 180.5
  Top Layer w10: U1.8@1797.72,2980 1855,2980 1880,2955 1880,2915.31 1874.14,2909.45 1873.43,2909.45 1849.88,2885.91 R2.1@1849.88,2880
NetC5_1: C5.1 U3.1 | length 90.2
  Top Layer w10: U3.1@2598.7,2530 U3.1@2605,2523.7
  Top Layer w20: C5.1@2517.4,2530 U3.1@2598.7,2530
NetC5_2: C5.2 D1.2 L3.1 TP19.1 U3.8
NetC9_1: C9.1 C10.1 C11.1 C12.1 C13.1 C14.1 L3.2 R8.1 R10.2 TP17.1 U4.8 | length 180.5
  Top Layer w10: U4.8@3172.72,2755 3230,2755 3255,2730 3255,2690.31 3249.14,2684.45 3248.43,2684.45 3248.43,2680 3224.88,2656.46 R8.1@3224.88,2655
NetC21_1: C21.1 U6.1
NetC22_1: C22.1 U7.1
NetC23_1: C23.1 D2.1 Q1.1 R21.2 | length 447.8
  Top Layer w8: Q1.1@4759.45,4965.35 4759.45,4994.45 4775,5010 4885,5010 4915,4980 R21.2@4915,4970 4917.83,4972.83 4917.83,4982.83 C23.1@4967.4,5032.4
  Top Layer w10: R21.2@4905.63,4975 R21.2@4905.63,4983.86 ; C23.1@4982.4,5055 4991.3,5046.1 D2.1@5120,5046.1
NetC24_1: C24.1 D3.1 Q2.1 R22.2 | length 485.8
  Top Layer w8: Q2.1@5308.9,4915 5308.9,4938.9 5330,4960 5420,4960 5455.63,4924.37 R22.2@5455.63,4915 5478.13,4915 5495,4931.87 5495,4985 5505,4995 C24.1@5532.4,4995
  Top Layer w10: C24.1@5532.4,4995 5541.3,4986.1 D3.1@5670,4986.1
NetC27_1: C27.1 U8.1
NetC28_1: C28.1 U9.1
NetC29_1: C29.1 D4.1 Q3.1 R29.2 | length 458.7
  Top Layer w8: Q3.1@5859.45,4835.35 5899.09,4875 5960,4875 5970,4865 R29.2@6010.63,4865 ; R29.2@6010.63,4860.24 6032.83,4860.24 6050,4877.4 6050,4935 6060,4945 C29.1@6087.4,4945
  Top Layer w10: C29.1@6087.4,4945 6096.3,4936.1 D4.1@6225,4936.1
NetC30_1: C30.1 D5.1 Q4.1 R30.2 | length 495.1
  Top Layer w8: Q4.1@6434.45,4795.35 6434.45,4822.05 6447.4,4835 6530.94,4835 6555.94,4810 6580.63,4810 R30.2@6586.26,4810 6590.4,4814.14 6580.91,4814.14 6579.14,4814.14 6608.44,4843.44 6609.07,4843.44 6615.63,4850 6635,4850 6657.4,4872.4 C30.1@6657.4,4885
  Top Layer w10: R30.2@6580.63,4810 6580.63,4813.86 6580.91,4814.14 6593.35,4826.57 R30.2@6598.98,4826.57 ; C30.1@6657.4,4885 6786.1,4885 D5.1@6795,4876.1
NetC33_1: C33.1 U10.1
NetC34_1: C34.1 U11.1
NetC35_1: C35.1 D6.1 Q5.1 R37.2 | length 663.4
  Top Layer w8: R37.2@4881.26,2667.6 4881.26,2594.17 C35.1@4881.54,2593.9 ; C35.1@4887.6,2585 4887.6,2527.4 4920.35,2494.65 5089.65,2494.65 5106.1,2511.1 Q5.1@5106.1,2675.51
  Top Layer w10: D6.1@4752.83,2593.9 C35.1@4881.54,2593.9
NetC36_1: C36.1 D7.1 Q6.1 R38.2 | length 482.3
  Top Layer w8: C36.1@5457.6,2515 5457.6,2550 5464.16,2556.56 5530,2556.56 ; R38.2@5531.2,2588.8 5531.2,2557.76 5530,2556.56 ; R38.2@5532.4,2605 R38.2@5539.9,2597.5 ; Q6.1@5680,2598.9 Q6.1@5681.1,2600 5681.1,2571.1 5666.56,2556.56 5530,2556.56
  Top Layer w10: D7.1@5312.83,2523.9 5441.54,2523.9 C36.1@5450.43,2515
NetC41_1: C41.1 U14.1
NetC42_1: C42.1 U15.1
NetC43_1: C43.1 D8.1 Q7.1 R55.2 | length 466.3
  Top Layer w8: C43.1@6013.27,2460 C43.1@6025.67,2460 ; C43.1@6020,2470 6053.4,2503.4 6053.4,2528.4 6057.83,2532.83 R55.2@6095,2532.83 6095,2525 6118.47,2501.53 6171.53,2501.53 6193.7,2523.7 6213.7,2523.7 6236.1,2546.1 Q7.1@6236.1,2555 ; R55.2@6090.04,2510.04 R55.2@6090.04,2520.94
  Top Layer w10: D8.1@5875.67,2468.9 6004.37,2468.9 C43.1@6013.27,2460